# Altium PCB UltraZohm_Digital_Sensor_Board_v1.01.PcbDoc (part 3 of 4)
Units mm, origin at the board's own origin, x right, y up, seen from the top; angles counter-clockwise.
Board outline 156 x 100 mm, 4 copper layers (Top Layer, GND, VCC, Bottom Layer), stack 0.778 mm thick; 386 components, 224 nets, 1254 pads, 301 vias.
Unrouted connection lines stored in the file: 1.
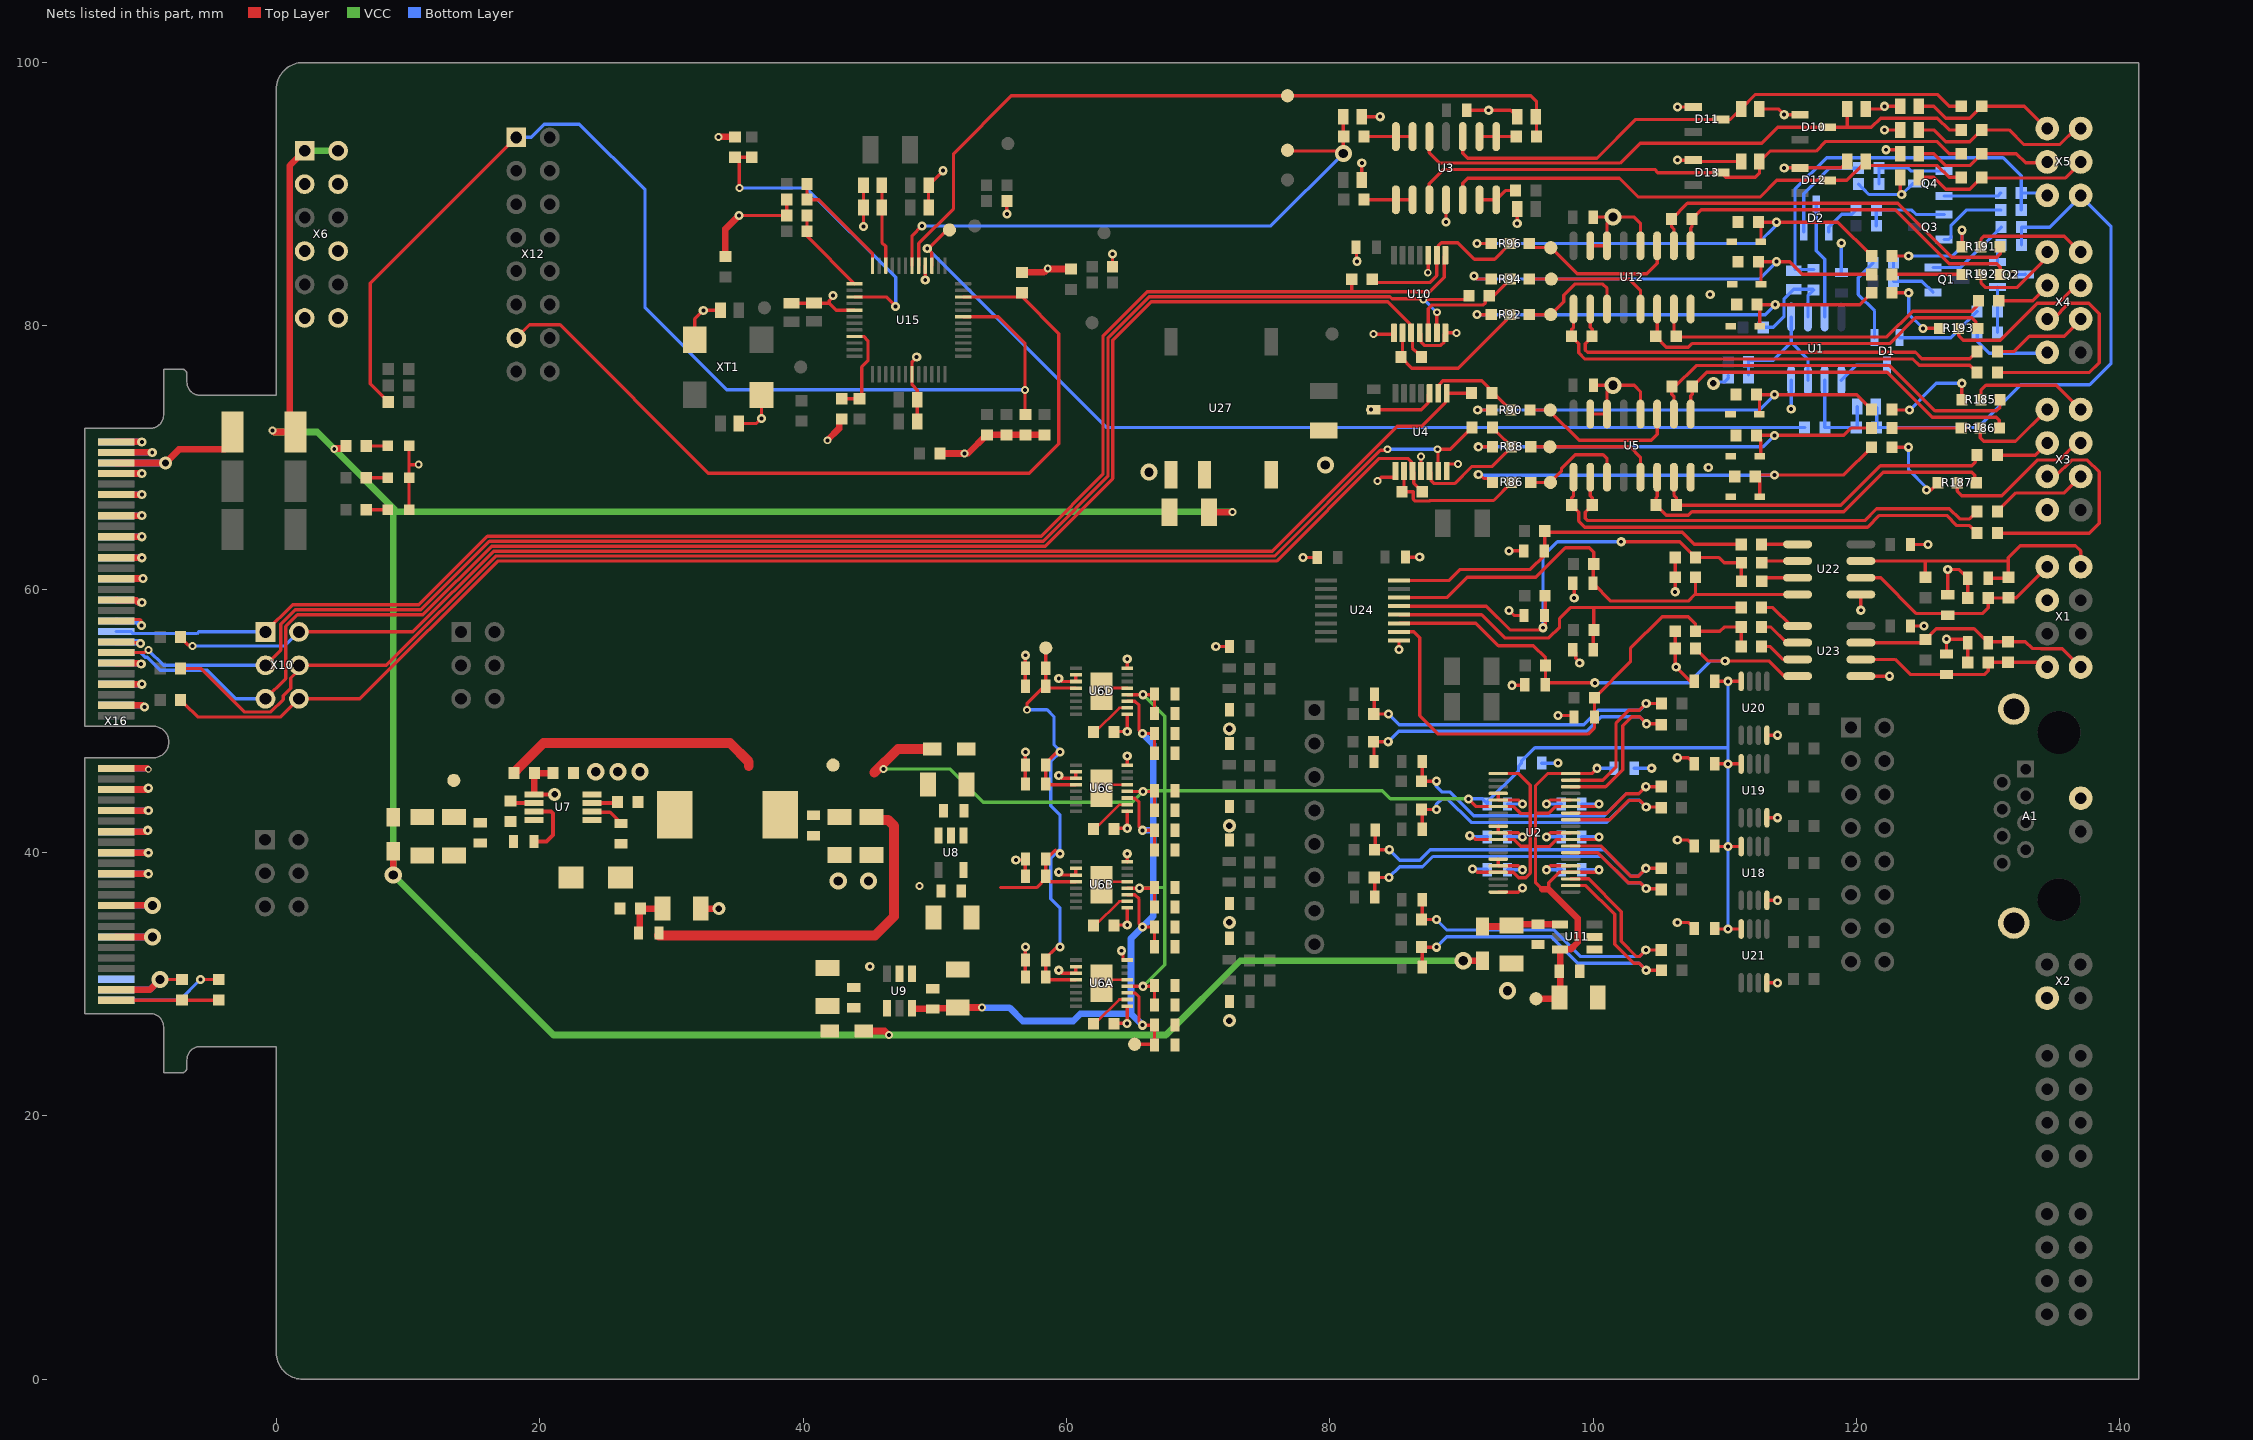
[diagram p5: the nets of this part, all layers, seen from the top]

## Via types
v1: diameter 0.7, hole 0.3, Top Layer to Bottom Layer, 209 vias
v2: diameter 0.6, hole 0.3, Top Layer to Bottom Layer, 45 vias
v3: diameter 1.3, hole 0.7, Top Layer to Bottom Layer, 26 vias
v4: diameter 1, hole 0.5, Top Layer to Bottom Layer, 20 vias
v5: diameter 0.5, hole 0.3, Top Layer to Bottom Layer, 1 vias

## Nets (pads, with @x,y where several pads share a name; then routed paths per layer and width w, separated by ;. In a path a pad name is that pad's centre, name@x,y a point inside that pad or via, vN(x,y) a via of type N, cw(c..) or ccw(c..) an arc to the next point about the centre after c; other vN are vias at no path point) (continued)
GND: A1.S1 A1.S2 C7.2 C10.2 C13.2 C14.2 C15.2 C16.2 C17.2 C18.2 C19.2 C20.2 C21.2 C22.2 C23.2 C24.2 C25A.2 C25B.2 C25C.2 C25D.2 C26A.2 C26B.2 C26C.2 C26D.2 C27A.2 C27B.2 C27C.2 C27D.2 C28A.2 C28B.2 C28C.2 C28D.2 C29A.2 C29B.2 C29C.2 C29D.2 C30A.2 C30B.2 C30C.2 C30D.2 C31A.1 C31B.1 C31C.1 C31D.1 C33A.2 C33B.2 C33C.2 C33D.2 C36.1 C37.1 C38.2 C40.1 C41.1 C42.1 C43.2 C44.1 C45.2 C46.2 C47.1 C48.1 C49.2 C50.2 C51.1 C52.2 C53.2 C54.2 C55.2 C56.1 C57.2 C58.2 C59.1 C60.2 C61.2 C62.2 C63.2 C64.2 C65.2 C67.2 C68.2 C69.2 C71.2 C72.1 C73.1 C74.1 C75.1 C76.1 C77.1 C78.1 C79.1 C80.1 C81.1 C82.1 C83.1 C84.2 C85.2 C86.2 C87.2 C112.1 C113.1 C114.2 C115.2 C116.1 C117.1 C118.1 C119.1 C125.1 C126.1 C128.2 C129.2 D3.2 D4.2 D5.2 D6.2 D7.2 D8.2 D9.2 D10.1 D11.1 D12.1 D13.1 LED1.1 LED2.1 LED3.1 Q2.3 Q4.3 R16.1 R18.1 R21.1 R28.1 R34.1 R35.1 R44.1 R47A.1 R47B.1 R47C.1 R47D.1 R52.2 R58.1 R59.1 R65.2 R72.2 R73.2 R74.2 R75.2 R76.2 R77.2 R117.1 R125.1 R126.1 R127.2 R129.1 R130.2 R132.1 R163.1 R164.1 R167.1 R168.1 R169.1 R170.1 R173.1 R174.1 U1.4 U2.5 U2.10 U2.15 U2.23 U2.24 U2.28 U2.29 U2.33 U2.34 U2.38 U3.11 U4.1 U4.4 U4.7 U4.10 U5.8 U5.12 U5.14 U5.15 U6A.1 U6A.5 U6A.8 U6A.10 U6A.11 U6A.17 U6B.1 U6B.5 U6B.8 U6B.10 U6B.11 U6B.17 U6C.1 U6C.5 U6C.8 U6C.10 U6C.11 U6C.17 U6D.1 U6D.5 U6D.8 U6D.10 U6D.11 U6D.17 U7.4 U8.2 U9.1 U9.2 U10.1 U10.4 U10.7 U10.10 U11.1 U11.2 U12.8 U12.12 U12.14 U12.15 U15.5 U15.19 U15.40 U18.4 U19.4 U20.4 U21.4 U22.5 U23.5 U24.9 U27.1 U27.4 X1.4 X2.4 X3.8 X4.8 X6.3 X6.4 X6.7 X6.8 X6.11 X6.12 X7.2 X16.1 X16.2 X16.3 X16.4 X16.7 X16.8 X16.11 X16.12 X16.15 X16.16 X16.19 X16.20 X16.23 X16.24 X16.27 X16.28 X16.31 X16.32 X16.35 X16.36 X16.39 X16.40 X16.43 X16.44 X16.47 X16.48 X16.51 X16.52 X16.55 X16.56 X16.59 X16.60 X16.63 X16.64 X16.67 X16.68 X16.71 X16.72 X16.75 X16.76 X16.81 X16.82 X16.87 X16.88 X16.97 X16.98 XT1.2 XT1.4 | length 350.8
  Top Layer w0.2: v4(62.669,30.096) 62.919,30.346 U6A.5@64.619,30.346 ; v4(62.669,37.546) 62.919,37.796 U6B.5@64.619,37.796 ; v4(62.669,44.896) 62.919,45.146 U6C.5@64.619,45.146 ; v4(62.669,52.246) 62.919,52.496 U6D.5@64.619,52.496
  Top Layer w0.25: X16.39@-12.153,55.991 -12.099,55.937 -10.317,55.937 v1(-10.317,55.883) ; X16.35@-12.153,57.591 -12.041,57.703 -10.365,57.703 -10.304,57.643 -10.304,57.323 v1(-10.238,57.257) ; v3(-8.828,30.363) R117.1@-7.17,30.363 ; LED3.1@10.076,66.043 LED2.1@10.076,68.463 10.076,69.448 ; LED1.1@10.076,70.884 10.076,69.448 ; v2(10.813,69.461) 10.8,69.448 10.076,69.448 ; XT1.2@31.77,78.956 31.77,80.528 32.419,81.177 v1(32.424,81.177) ; v1@32.43,81.188 C118.1@33.73,81.188 ; C119.1@35.13,72.588 36.462,72.588 v1(36.85,72.976) XT1.4@36.85,74.756 ; v1(35.13,88.388) R173.1@38.755,88.388 R174.1@38.755,89.588 ; C116.1@39.12,81.728 41.999,81.728 ; v1(42.272,82.298) 42.272,82.177 41.999,81.904 41.999,81.728 ; U15.5@43.905,81.196 42.53,81.196 41.999,81.728 ; v1(44.59,87.548) C115.2@44.59,88.988 C114.2@44.59,90.688 ; v1(48.63,77.638) 48.28,77.288 U15.19@48.28,76.321 48.28,75.523 48.68,75.123 C125.1@48.68,74.398 C126.1@48.68,72.743 ; v1(49.28,83.488) U15.40@49.28,84.571 ; C112.1@49.53,88.988 C113.1@49.53,90.688 v1(50.63,91.788) ; v1(55.478,88.505) R163.1@55.478,89.48 ; v1@56.159,39.315 v1(56.159,39.436) 56.799,39.436 C27B.2@56.884,39.521 C28B.2@56.884,38.2 C28B.2@56.741,38.342 ; C28A.2@56.884,30.7 C27A.2@56.884,31.846 v1(56.884,32.836) ; C28C.2@56.884,45.5 C27C.2@56.884,46.646 v1(56.884,47.636) ; C28D.2@56.884,52.9 C27D.2@56.884,53.996 v1(56.884,54.986) ; v1(59.419,31.066) 59.639,30.846 U6A.11@60.719,30.846 U6A.10@60.719,31.346 ; v1(59.419,38.516) 59.639,38.296 U6B.11@60.719,38.296 U6B.10@60.719,38.796 ; v1(59.419,45.866) 59.639,45.646 U6C.11@60.719,45.646 U6C.10@60.719,46.146 ; v1(59.419,53.216) 59.639,52.996 U6D.11@60.719,52.996 U6D.10@60.719,53.496 ; R164.1@63.505,84.488 v1(63.505,85.463) ; R47A.1@63.615,27.006 63.64,27.031 v1(64.604,27.031) ; R47B.1@63.615,34.456 63.78,34.621 63.905,34.496 v1(64.619,34.496) U6B.1@64.619,35.796 ; R47C.1@63.615,41.806 63.78,41.971 63.905,41.846 v1(64.619,41.846) U6C.1@64.619,43.146 ; R47D.1@63.615,49.156 63.78,49.321 63.905,49.196 v1(64.619,49.196) U6D.1@64.619,50.496 ; v1(64.175,32.546) 64.175,32.425 64.294,32.306 64.294,31.856 64.304,31.846 U6A.8@64.619,31.846 ; v1@64.619,27.046 U6A.1@64.619,28.346 ; U6B.8@64.619,39.296 v1(64.619,39.915) ; U6C.8@64.619,46.646 v1(64.619,47.346) ; U6D.8@64.619,53.996 v1(64.619,54.696) ; v1(71.344,55.646) C33D.2@72.394,55.646 ; C31A.1@72.38,28.683 C31A.1@72.394,28.696 ; C31B.1@72.38,36.133 C31B.1@72.394,36.146 ; C31C.1@72.38,43.483 C31C.1@72.394,43.496 ; C31D.1@72.38,50.833 C31D.1@72.394,50.846 ; v1(77.97,62.406) C128.2@79.055,62.406 ; C87.2@82.002,85.979 C87.2@81.999,85.977 82.036,85.94 82.036,84.942 v1(82.073,84.905) ; C82.1@82.43,91.088 v1(82.43,92.363) ; C73.1@82.43,95.888 v1(83.83,95.888) ; v1(83.117,73.639) 86.948,73.639 87.485,74.177 87.485,74.779 U4.10@87.585,74.879 ; v2(83.313,79.37) 84.78,79.37 U10.1@84.88,79.47 ; v2(83.618,68.212) 83.913,68.507 84.885,68.507 84.985,68.607 U4.1@84.985,68.979 ; v1(85.255,55.43) U24.9@85.255,56.116 ; C129.2@85.745,62.439 v1(86.83,62.439) ; U10.4@86.83,79.47 86.93,79.37 86.93,78.768 87.179,78.518 88.43,78.518 88.68,78.768 88.68,79.37 U10.7@88.78,79.47 v2(89.63,79.47) ; U4.4@86.935,68.979 v2(86.935,70.079) ; v2(87.443,84.038) 87.48,84.075 U10.10@87.48,85.37 ; v1(88.83,87.888) U3.11@88.83,89.578 ; U4.7@88.885,68.979 88.885,69.407 88.985,69.507 89.719,69.507 v2(89.735,69.523) ; C71.2@90.405,96.378 v1(92.068,96.378) 93.73,96.378 C76.1@94.23,95.878 ; U2.38@92.793,37 94.326,37 v1(94.63,37.304) ; U2.33@92.793,39.5 U2.34@92.793,39 94.326,39 v1(94.63,38.696) ; U2.28@92.793,42 U2.29@92.793,41.5 94.326,41.5 v1(94.63,41.196) ; U2.23@92.793,44.5 U2.24@92.793,44 94.326,44 v1(94.63,43.696) ; v1(93.615,58.391) 94,58.006 C55.2@94.755,58.006 ; v1(93.615,62.914) C53.2@94.732,62.914 ; v1(93.83,52.706) 94.768,52.706 C61.2@94.808,52.747 ; v1(94.23,87.782) C79.1@94.23,88.878 ; v1(96.457,38.696) 96.761,39 U2.5@98.293,39 ; v1(96.457,41.196) 96.761,41.5 U2.10@98.293,41.5 ; v1(96.457,43.696) 96.761,44 U2.15@98.293,44 ; v1(97.33,50.406) 98.455,50.406 C62.2@98.555,50.306 ; C60.2@98.455,55.406 98.68,55.181 98.68,54.766 98.975,54.471 v1(98.975,54.394) ; v1(98.563,59.339) C54.2@98.563,60.456 ; U5.15@99.783,73.307 U5.14@101.053,73.307 101.053,75.034 v3(101.505,75.486) ; U12.15@99.783,86.083 U12.14@101.053,86.083 101.053,87.811 v3(101.505,88.263) ; C84.2@100.153,75.611 C84.2@100.028,75.486 v3(101.505,75.486) ; C86.2@100.153,88.387 100.028,88.263 v3(101.505,88.263) ; U5.12@103.593,73.307 103.593,75.017 103.124,75.486 v3(101.505,75.486) ; U12.12@103.593,86.083 103.593,87.793 103.124,88.263 v3(101.505,88.263) ; v1@106.228,54.161 R35.1@106.228,55.498 R28.1@106.228,56.806 ; v1(106.228,59.806) R21.1@106.228,60.906 R16.1@106.228,62.406 ; v1(106.303,54.086) 107.381,53.008 C17.2@107.683,53.008 ; v1(106.393,34.696) 107.227,34.696 C20.2@107.683,34.24 ; v1(106.393,40.952) 107.227,40.952 C19.2@107.683,40.496 ; v1(106.393,47.208) 107.227,47.208 C18.2@107.683,46.752 ; v1(106.405,92.59) D13.1@107.605,92.59 ; v1(106.405,96.628) D11.1@107.605,96.628 ; D13.1@107.717,92.478 C83.1@111.23,92.478 ; C77.1@112.63,96.478 114.07,96.478 v1(114.51,96.038) D10.1@115.71,96.038 ; U21.4@113.193,30.108 v1(113.991,30.108) ; U18.4@113.193,36.378 v1(113.991,36.378) ; U19.4@113.193,42.647 v1(113.991,42.647) ; U20.4@113.193,48.916 v1(113.991,48.916) ; v1(114.51,92) D12.1@115.71,92 118.827,92 C80.1@119.305,92.478 ; U23.5@120.33,53.401 v1(122.51,53.401) ; v1(120.33,58.406) U22.5@120.33,59.601 ; C74.1@120.705,96.478 121.93,96.478 v1(122.13,96.678) C75.1@123.33,96.678 ; v1(122.13,94.878) C72.1@123.33,94.878 ; v1(122.23,93.378) 123.03,93.378 C81.1@123.33,93.078 ; C78.1@123.33,91.278 123.33,90.078 v1(123.43,89.978) ; C63.2@124.105,57.206 v1(125.13,57.206) ; C7.2@124.105,63.406 v1(125.425,63.406) ; C65.2@126.83,55.081 v1(126.83,56.206) 128.18,56.206 C64.2@128.455,55.931 R34.1@128.455,54.431 ; C52.2@126.93,59.581 v1(126.93,61.506) 127.78,61.506 C10.2@128.455,60.831 R18.1@128.455,59.331
  Top Layer w0.5: X16.97@-12.153,29.591 -9.6,29.591 v3(-8.828,30.363) ; X16.87@-12.153,33.591 v3(-9.406,33.591) ; X16.81@-12.153,35.991 v3(-9.406,35.991) ; X16.75@-12.153,38.391 v1(-9.721,38.391) ; X16.71@-12.153,39.991 v1(-9.721,39.991) ; X16.67@-12.153,41.591 -12.151,41.594 -9.919,41.594 -9.819,41.694 v1(-9.765,41.694) ; X16.63@-12.153,43.191 v1(-9.721,43.191) ; X16.59@-12.153,44.791 -9.875,44.791 -9.775,44.891 v1(-9.721,44.891) ; X16.55@-12.153,46.391 -9.793,46.391 v5(-9.721,46.319) ; X16.51@-12.153,51.191 -10.198,51.191 -10.076,51.068 v1(-10.022,51.068) ; X16.47@-12.153,52.791 v1(-10.218,52.791) ; X16.43@-12.153,54.391 -10.263,54.391 v1(-10.263,54.318) ; X16.31@-12.153,59.191 -12.128,59.166 -10.633,59.166 -10.46,58.993 v1@-10.406,58.993 ; X16.27@-12.153,60.791 -12.128,60.816 v1(-10.129,60.816) ; X16.23@-12.153,62.391 v1(-10.218,62.391) ; X16.19@-12.153,63.991 v1(-10.218,63.991) ; X16.15@-12.153,65.591 v1(-10.218,65.591) ; X16.11@-12.153,67.191 v1(-10.218,67.191) ; X16.7@-12.153,68.791 v1(-10.218,68.791) ; X16.3@-12.153,70.391 v1(-9.424,70.391) ; X16.1@-12.153,71.191 v1(-10.218,71.191) ; v2(33.572,94.345) 33.582,94.355 R129.1@34.83,94.355 ; R127.2@34.106,85.259 34.106,87.364 v1(35.13,88.388) ; v2(41.844,71.313) 42.735,72.204 42.735,72.746 42.91,72.921 R132.1@42.935,72.921 ; R130.2@50.399,70.312 v2(52.257,70.312) 52.276,70.331 52.543,70.331 53.933,71.721 R167.1@53.958,71.721 R168.1@55.452,71.721 R169.1@56.898,71.721 R170.1@58.333,71.721 ; R125.1@56.63,84.063 58.288,84.063 v2(58.582,84.357) 58.609,84.357 58.645,84.321 R126.1@60.355,84.321
  Bottom Layer w0.25: C22.2@93.505,38.696 v1(94.63,38.696) ; C23.2@93.505,41.196 v1(94.63,41.196) ; C24.2@93.505,43.696 v1(94.63,43.696) ; C21.2@96.105,46.796 v1(97.33,46.796) ; v1(96.457,38.696) C13.2@97.582,38.696 ; v1(96.457,41.196) C14.2@97.582,41.196 ; v1(96.457,43.696) C15.2@97.582,43.696 ; C16.2@103.124,46.408 v1(104.445,46.408) ; v4(109.13,75.628) 109.238,75.736 109.957,75.736 110.257,76.036 R44.1@110.257,76.061 ; R44.1@110.257,76.206 R44.1@110.26,76.206 ; v1(115.039,73.685) U1.4@115.039,75.878 ; C67.2@118.849,84.053 v1(118.849,86.278) ; R65.2@120.155,90.778 120.155,90.753 120.455,90.453 120.468,90.453 120.943,89.978 v1(123.43,89.978) 124.262,90.81 Q4.3@124.554,90.81 ; R52.2@129.159,79.5 129.159,78.849 130.082,77.927 X4.8@134.485,77.927 ; v1(131.833,83.9) 132.803,83.9 132.814,83.911 Q2.3@132.835,83.911
  Bottom Layer w0.5: X16.98@-12.153,29.591 -9.6,29.591 v3(-8.828,30.363) ; X16.88@-12.153,33.591 v3(-9.406,33.591) ; X16.82@-12.153,35.991 v3(-9.406,35.991) ; X16.76@-12.153,38.391 -10.076,38.391 ; X16.72@-12.153,39.991 v1@-9.798,39.991 ; X16.68@-12.153,41.591 -9.922,41.591 -9.819,41.694 v1(-9.765,41.694) ; X16.64@-12.153,43.191 v1(-9.721,43.191) ; X16.60@-12.153,44.791 -9.875,44.791 -9.775,44.891 v1(-9.721,44.891) ; X16.56@-12.153,46.391 -9.793,46.391 v5(-9.721,46.319) ; X16.52@-12.153,51.191 -10.198,51.191 -10.076,51.068 v1(-10.022,51.068) ; X16.48@-12.153,52.791 v1(-10.218,52.791) ; X16.44@-12.153,54.391 -10.263,54.391 v1(-10.263,54.318) ; X16.40@-12.153,55.991 -12.128,55.966 -10.355,55.966 -10.294,55.905 v1(-10.317,55.883) ; X16.36@-12.153,57.591 -12.128,57.566 -10.601,57.566 -10.292,57.257 v1(-10.238,57.257) ; X16.32@-12.153,59.191 -12.128,59.166 -10.633,59.166 -10.46,58.993 v1@-10.406,58.993 ; X16.28@-12.153,60.791 -12.128,60.816 v1(-10.129,60.816) ; X16.24@-12.153,62.391 v1(-10.218,62.391) ; X16.20@-12.153,63.991 v1(-10.218,63.991) ; X16.16@-12.153,65.591 v1(-10.218,65.591) ; X16.12@-12.153,67.191 v1(-10.218,67.191) ; X16.8@-12.153,68.791 v1(-10.218,68.791) ; X16.4@-12.153,70.391 v1(-9.424,70.391) ; X16.2@-12.153,71.191 v1(-10.218,71.191)
  other v1: 45.072,31.356 -10.218,58.993 108.748,69.255 108.886,82.378
  other v2: 48.846,37.45
  other v3: 93.505,29.508 42.67,37.847 44.972,37.847 24.26,46.141 25.935,46.141 27.61,46.141 66.28,68.891 79.664,69.441
  other v4: 72.38,27.246 72.38,34.696 72.38,42.046 72.38,49.396
HALL1: R103.2 U10.8 X10.1 X16.38 | length 121
  Top Layer w0.25: X10.1@-0.825,56.763 1.234,58.821 10.824,58.821 16.029,64.027 58.08,64.027 62.774,68.72 62.774,79.231 66.134,82.591 81.624,82.591 ; R103.2@81.67,83.546 81.67,82.638 81.624,82.591 ; U10.8@88.78,85.37 88.688,85.279 88.688,83.683 87.597,82.591 81.624,82.591
  Bottom Layer w0.25: X16.38@-12.153,56.791 -11.028,56.791 -10.872,56.635 -6.023,56.635 -5.895,56.763 X10.1@-0.825,56.763
HALL1_EXT: D3.1 R66.2 R72.1 R96.3 | length 35.6
  Top Layer w0.25: v1(91.181,86.256) R96.3@92.255,86.256 ; D3.1@112.754,86.4 112.754,87.68 R72.1@112.556,87.878 v1(113.93,87.878) 116.834,87.878 118.589,87.878 R66.2@121.155,85.311
  Bottom Layer w0.25: v1(91.181,86.256) 112.509,86.256 v1@113.93,87.678
HALL1_N: R93.2 R192.1 U12.9 | length 28.1
  Top Layer w0.25: U12.9@107.403,86.083 107.403,87.434 107.505,87.536 R93.2@107.505,88.111 108.205,88.811 122.93,88.811 127.032,84.709 130.658,84.709 130.906,84.461 R192.1@130.906,83.911
HALL1_P: R93.1 R191.1 U12.10 | length 29.9
  Top Layer w0.25: U12.10@106.133,86.083 106.133,87.358 105.955,87.536 R93.1@105.955,88.111 107.159,89.315 123.139,89.315 127.241,85.213 130.658,85.213 130.906,85.461 R191.1@130.906,86.011
HALL1_SINGLEENDED: R96.1 TP6.1 U12.11 | length 12.3
  Top Layer w0.25: R96.1@95.155,86.256 95.455,85.956 96.763,85.956 TP6.1@96.785,85.934 96.816,85.934 98.794,83.956 104.07,83.956 104.863,84.75 U12.11@104.863,86.083
HALL2: R102.2 U10.6 X10.3 X16.41 | length 125.3
  Top Layer w0.25: X16.41@-12.153,55.191 -10.009,55.191 -9.816,55.384 v2(-9.721,55.384) ; X10.3@-0.825,54.223 0.336,55.384 0.336,57.334 1.447,58.444 10.98,58.444 16.185,63.65 58.236,63.65 63.151,68.564 63.151,79.075 66.29,82.214 84.571,82.214 84.724,82.061 87.051,82.061 v2(87.1,82.012) ; v2@87.195,82.061 87.244,82.012 90.289,82.012 R102.2@90.566,82.29 ; U10.6@88.13,79.47 v2(88.13,81.034)
  Bottom Layer w0.25: v2(-9.721,55.384) -8.56,54.223 X10.3@-0.825,54.223 ; v2(87.1,82.012) 87.126,82.012 88.104,81.034 v2(88.13,81.034)
HALL2_EXT: D5.1 R67.2 R73.1 R94.3 | length 35.8
  Top Layer w0.25: v1(90.948,83.79) 91.181,83.556 R94.3@92.255,83.556 ; D5.1@112.748,83.17 112.748,84.672 R73.1@112.55,84.87 114.922,84.87 115.88,83.911 117.93,83.911 R67.2@121.155,83.911
  Bottom Layer w0.25: v1(90.948,83.79) 91.181,83.556 112.609,83.556 v1(113.93,84.878)
HALL2_N: R95.2 R195.1 U12.7 | length 26.4
  Top Layer w0.25: U12.7@106.133,81.283 106.133,79.357 106.328,79.163 106.878,79.163 122.315,79.163 124.266,81.113 128.755,81.113 129.13,81.488 129.13,81.786 R195.1@129.255,81.911
HALL2_P: R95.1 R193.1 U12.6 | length 28.4
  Top Layer w0.25: U12.6@104.863,81.283 104.863,79.248 104.778,79.163 105.553,78.387 107.23,78.387 107.501,78.659 122.524,78.659 124.474,80.609 128.755,80.609 129.081,80.284 129.081,79.936 R193.1@129.206,79.811
HALL2_SINGLEENDED: R94.1 TP5.1 U12.5 | length 10.2
  Top Layer w0.25: R94.1@95.155,83.556 95.712,83.556 102.757,83.556 103.593,82.72 U12.5@103.593,81.283
HALL3: R101.2 U10.3 X10.5 X16.42 | length 124.3
  Top Layer w0.25: X10.5@-0.825,51.683 0.713,53.221 0.713,57.178 1.603,58.067 11.136,58.067 16.342,63.273 58.393,63.273 63.528,68.408 63.528,78.919 66.446,81.837 84.415,81.837 86.08,80.173 86.08,79.57 U10.3@86.18,79.47 86.28,79.37 86.28,78.319 86.635,77.963 86.66,77.963 86.96,77.663 R101.2@86.96,77.638
  Bottom Layer w0.25: X16.42@-12.153,55.191 -10.273,55.191 -10.273,55.155 -9.95,54.832 -9.804,54.832 -8.818,53.846 -5.249,53.846 -3.086,51.683 X10.5@-0.825,51.683
HALL3_EXT: D6.1 R68.2 R74.1 R92.3 | length 34.8
  Top Layer w0.25: v1(91.181,80.856) R92.3@92.255,80.856 ; D6.1@112.654,79.97 112.654,81.413 R74.1@112.455,81.611 v1(113.83,81.611) 120.255,81.611 R68.2@121.155,82.511
  Bottom Layer w0.25: v1(91.181,80.856) 113.075,80.856 v1(113.83,81.611)
HALL3_N: R97.2 R194.2 U12.1 | length 34.5
  Top Layer w0.25: U12.1@98.513,81.283 98.513,79.873 98.378,79.738 98.378,79.163 98.901,78.64 98.901,77.954 99.368,77.487 124.272,77.487 124.749,77.009 128.607,77.009 R194.2@129.155,76.461
HALL3_P: R97.1 R196.2 U12.2 | length 33.6
  Top Layer w0.25: U12.2@99.783,81.283 99.783,79.882 99.928,79.738 99.928,79.163 99.405,78.64 99.405,78.163 99.577,77.991 124.481,77.991 124.958,77.513 128.607,77.513 R196.2@129.155,78.061
HALL3_SINGLEENDED: R92.1 TP4.1 U12.3 | length 9.1
  Top Layer w0.25: R92.1@95.43,80.856 R92.1@95.155,80.856 TP4.1@96.785,80.856 97.766,81.837 97.766,82.342 98.603,83.179 100.721,83.179 101.053,82.847 U12.3@101.053,81.283
HALL_CONN1: R66.1 R191.3 | length 8.1
  Top Layer w0.25: R66.1@122.705,85.311 v1(123.961,85.311) ; R191.3@128.006,86.011 v1(128.006,87.267)
  Bottom Layer w0.25: v1(123.961,85.311) 127.311,85.311 128.006,86.006 v1(128.006,87.267)
HALL_CONN2: R67.1 R192.3 | length 5.3
  Top Layer w0.25: R67.1@122.705,83.911 R192.3@128.006,83.911
HALL_CONN3: R68.1 R193.3 | length 5.7
  Top Layer w0.25: R68.1@122.705,82.511 v1(123.961,82.511) ; v1(125.05,79.811) R193.3@126.306,79.811
  Bottom Layer w0.25: v1(123.961,82.511) 123.961,80.901 v1(125.05,79.811)
IN1_N: C6.1 R12.1 R23.1 U2.8 | length 31.9
  Top Layer w0.25: R23.1@83.395,40.221 v1(84.52,40.221) ; R23.1@83.445,40.271 C6.1@83.445,41.721 ; U2.8@98.293,40.504 100.572,40.504 102.868,38.208 103.443,38.208 104.001,38.766 v1(104.001,38.808) R12.1@105.168,38.808
  Bottom Layer w0.25: v1(84.52,40.221) 85.322,39.419 86.832,39.419 87.622,40.209 100.872,40.209 100.885,40.196 102.873,38.208 103.443,38.208 104.001,38.766 v1(104.001,38.808)
IN1_P: C5.1 R9.2 R20.1 U2.7 | length 31.8
  Top Layer w0.25: R20.1@83.37,38.113 v1(84.495,38.113) ; C5.1@83.42,36.621 R20.1@83.42,38.063 ; U2.7@98.293,40 100.364,40 102.66,37.704 103.588,37.704 v1(104.026,37.266) R9.2@105.193,37.266
  Bottom Layer w0.25: v1(84.495,38.113) 85.297,38.915 87.041,38.915 87.831,39.705 100.663,39.705 102.664,37.704 103.588,37.704 v1(104.026,37.266)
IN2_N: C9.1 R22.1 R33.1 U2.13 | length 28.4
  Top Layer w0.25: R33.1@86.97,45.421 v1(88.095,45.421) ; R33.1@87.02,45.471 C9.1@87.02,46.921 ; U2.13@98.293,43 101.04,43 102.503,44.463 103.456,44.463 v1(104.001,45.008) R22.1@105.168,45.008
  Bottom Layer w0.25: v1(88.095,45.421) 88.095,45.033 88.53,44.598 89.141,44.598 90.943,42.796 100.836,42.796 102.529,44.489 103.482,44.489 v1(104.001,45.008)
IN2_P: C8.1 R19.2 R30.1 U2.12 | length 28.4
  Top Layer w0.25: R30.1@86.97,43.271 v1(88.095,43.271) ; C8.1@87.02,41.771 R30.1@87.02,43.221 ; U2.12@98.293,42.496 101.249,42.496 101.253,42.5 102.711,43.959 103.533,43.959 v1(104.026,43.466) R19.2@105.193,43.466
  Bottom Layer w0.25: v1(88.095,43.271) 88.095,43.659 88.53,44.094 88.932,44.094 90.734,42.292 101.045,42.292 102.738,43.985 103.507,43.985 v1(104.026,43.466)
IN3_N: C12.1 R32.1 R43.1 U2.18 | length 34.4
  Top Layer w0.25: R43.1@83.335,50.521 v1(84.46,50.521) ; R43.1@83.385,50.571 C12.1@83.385,52.021 ; U2.18@98.293,45.5 100.731,45.5 101.739,46.508 101.739,49.844 102.708,50.812 103.513,50.812 v1(104.026,51.326) R32.1@105.193,51.326
  Bottom Layer w0.25: v1(84.46,50.521) 85.271,49.71 99.291,49.71 100.393,50.812 103.526,50.812 104.026,51.312 v1(104.026,51.326)
IN3_P: C11.1 R29.2 R40.1 U2.17 | length 34.5
  Top Layer w0.25: R40.1@83.31,48.421 v1(84.435,48.421) ; C11.1@83.36,46.921 R40.1@83.36,48.371 ; U2.17@98.293,44.996 100.94,44.996 102.243,46.3 102.243,49.635 102.916,50.308 103.526,50.308 v1(104.051,49.784) R29.2@105.218,49.784
  Bottom Layer w0.25: v1(84.435,48.421) 85.22,49.206 99.5,49.206 100.602,50.308 103.526,50.308 v1(104.051,49.784)
IN4_N: C3.1 R13.1 R42.1 U2.3 | length 30.7
  Top Layer w0.25: R13.1@86.97,34.921 v1(88.095,34.921) ; R13.1@87.02,34.971 C3.1@87.02,36.421 ; U2.3@98.293,38.004 99.656,38.004 102.143,35.517 102.143,33.258 103.293,32.108 103.501,32.108 v1(104.001,32.608) R42.1@105.168,32.608
  Bottom Layer w0.25: v1(88.095,34.921) 88.893,34.123 97.031,34.123 97.044,34.11 99.046,32.108 103.501,32.108 v1(104.001,32.608)
IN4_P: C2.1 R10.1 R39.2 U2.2 | length 30.8
  Top Layer w0.25: R10.1@86.97,32.821 v1(88.095,32.821) ; C2.1@87.02,31.321 R10.1@87.02,32.771 ; U2.2@98.293,37.5 99.447,37.5 101.639,35.308 101.639,33.049 103.085,31.604 103.488,31.604 v1(104.026,31.066) R39.2@105.193,31.066
  Bottom Layer w0.25: v1(88.095,32.821) 88.893,33.619 96.822,33.619 98.837,31.604 103.488,31.604 v1(104.026,31.066)
LOT: R125.2 U15.34 X12.13 | length 64
  Top Layer w0.25: X12.13@18.223,79.079 19.225,80.081 21.543,80.081 32.811,68.814 57.19,68.814 59.412,71.036 59.412,79.415 56.63,82.196 U15.34@52.155,82.196